# KiCad board ardumower mega shield svn.kicad_pcb (continued)
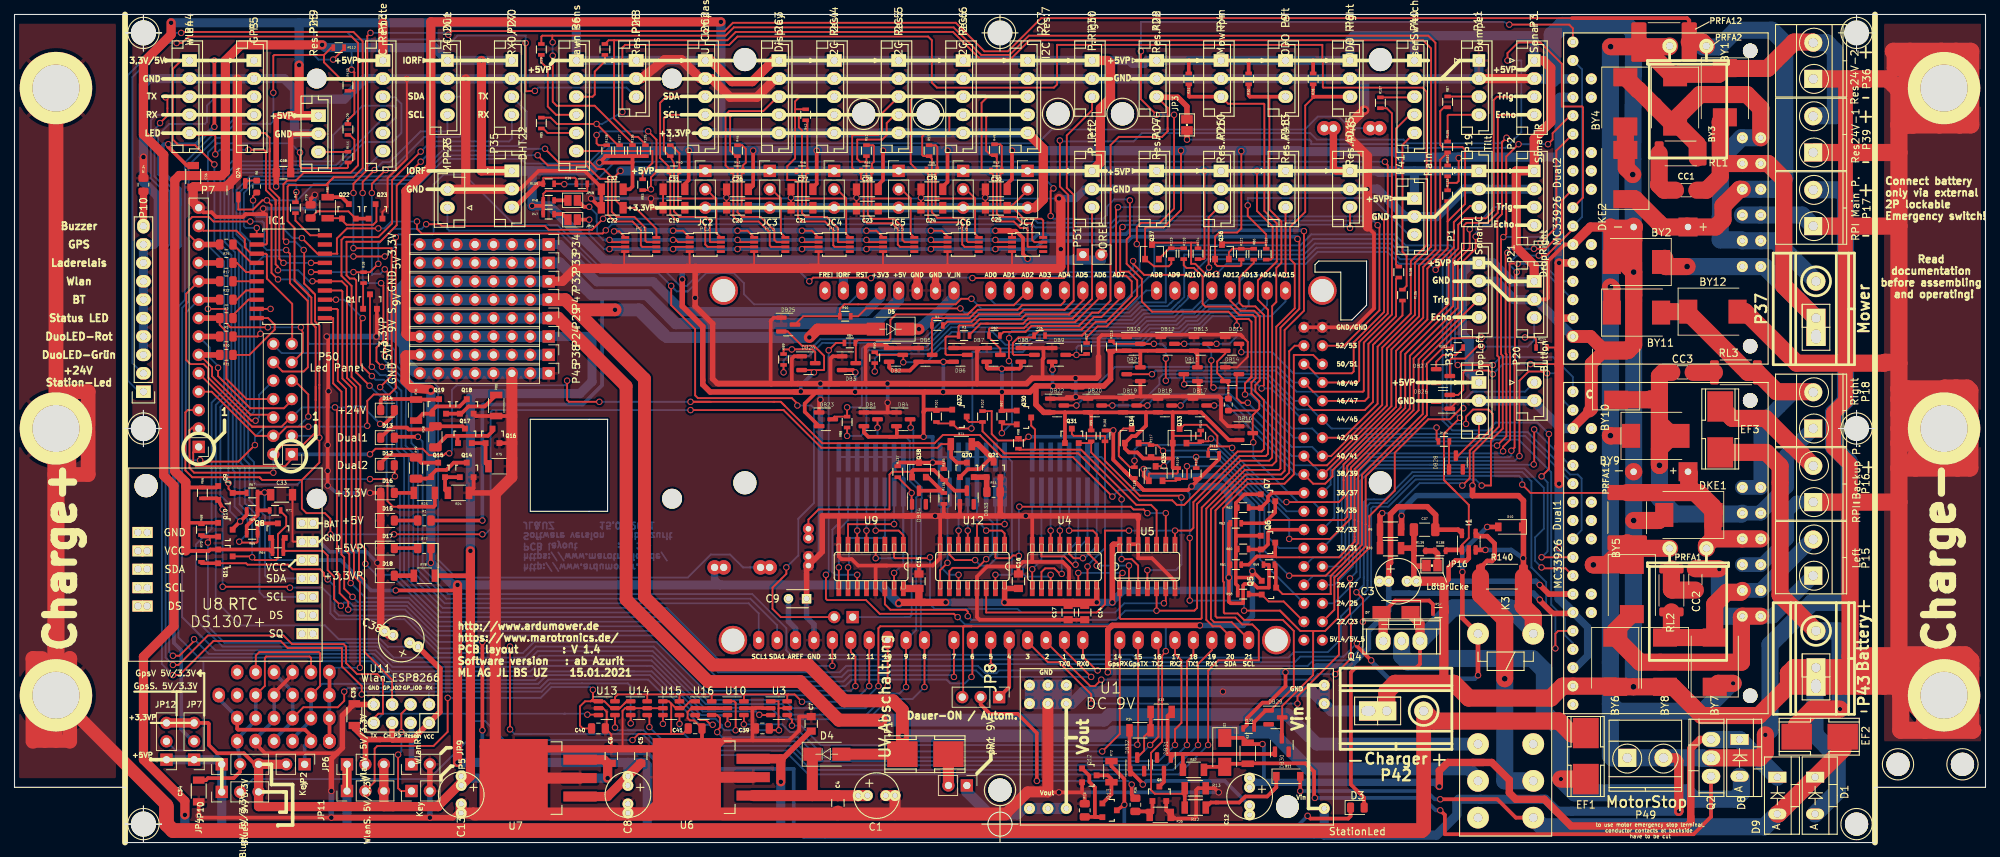
[diagram p0: board, top side]
## Routing (per net, layer and track width the routed paths; a pad name or vN(x,y) marks a point on that pad's centre or on a via; arc(x,y) is an arc through that point) (continued)
  Bottom w0.508: 111.76,0.76 180.34,0.76 180.59,1.02 ; 107.44,6.48 107.44,10.16 89.53,10.16 87.38,12.32 65.15,12.32 64.52,12.95 v1(64.52,15.49)
  Bottom w1.27: U1.3 180.59,1.02 196.09,1.02 198.88,3.81 198.88,5.72 199.14,5.97 211.07,5.97 212.73,4.32 v2(229.49,4.32)
  Bottom w1.778: 248.03,110.49 247.65,110.49
  Bottom w2.358: 248.03,100.33 251.08,100.33 251.08,109.22 249.89,110.41 P36.2 ; v2(236.98,21.97) 236.73,21.97 232.89,18.14 221.08,18.14 220.06,19.16 ; 220.06,19.16 220.06,25.02 ; 220.06,19.16 220.06,11.97 220.34,11.68 P49.1 P49.2 232.78,11.68 232.85,11.61 233.93,11.61 ; P17.2 251.67,90.09 252.48,89.28 252.48,60.96 250.82,59.31 250.82,54.61 252.86,52.58 252.98,52.58 252.98,33.53 252.6,33.15 247.9,33.15 242.06,27.31 242.06,15.49 v2(241.43,14.86) ; 220.06,38.45 219.94,38.33 v3(217.71,38.33) ; 220.06,38.45 v3(220.06,56.17) v3(220.06,76.68) 220.06,109.82 v3(220.09,109.86) ; 220.06,38.45 220.06,24.64
/Anschlußstecker/5V_IN: length 102.4
  Top w0.254: 165.41,54.68 165.79,54.68 165.86,54.75 165.86,56.13 164.34,57.66 161.29,57.66 160.77,57.13 Q33.3 ; 165.41,54.68 167.7,54.68 v1(167.89,54.48) ; 165.41,54.68 164.92,54.68 164.6,54.37 R116.2 ; 209.55,102.87 209.3,102.87 ; v1(175.39,46.99) 182.63,46.99 183.26,47.62 183.26,50.04 183.26,52.19 191.14,60.06 191.14,67.69 197.74,74.3 197.74,80.64 199.07,81.98 199.07,85.28 199.96,86.17 202.88,86.17 203.96,87.25 203.96,102.49 204.42,102.95 P3.3
  Bottom w0.254: v1(167.89,54.48) 167.89,53.95 174.85,46.99 v1(175.39,46.99)
/Anschlußstecker/5V_IN_1: length 90.1
  Top w0.254: Q11.3 32.64,39.5 v1(32.77,39.37) 33.15,38.99 36.07,38.99 36.32,39.24 36.32,42.55 37.47,43.69 37.47,44.96 36.69,45.73 R71.2
  Bottom w0.254: v1(32.77,39.37) 32.77,44.96 31.05,46.67 31.05,51.5 30.61,51.94 30.61,59.69 31.43,60.52 31.43,82.23 30.1,83.57 30.1,91.31 31.24,92.46 47.81,92.46 P13.6
/Anschlußstecker/5V_IN_2: length 93.7
  Top w0.254: v1(30.99,41.53) 31.11,41.4 33.4,41.4 33.52,41.52 R65.2
  Top w0.508: Q8.3 33.7,44.05 33.52,43.87 R65.2
  Bottom w0.254: v1(30.99,41.53) 32.13,42.67 32.13,44.58 30.35,46.36 30.35,51.18 30.1,51.44 30.1,60.07 30.92,60.9 30.92,81.85 29.53,83.25 29.53,91.76 30.73,92.96 44.53,92.96 48.27,96.7 52.11,96.7 53.34,97.93 53.34,101.98 52.45,102.87 50.8,102.87
/Anschlußstecker/5V_IN_3: length 88.8
  Top w0.508: Q10.3 30.08,43.29 v1(31.11,44.32) 32.02,45.22 R69.2
  Bottom w0.254: v1(31.11,44.32) 29.72,45.72 29.72,46.61 28.38,47.94 28.38,60.13 29.91,61.66 29.91,81.09 28.38,82.61 28.38,92.39 30.04,94.04 43.94,94.04 43.94,97.66 47.98,101.7 52.27,101.7 52.58,101.4 52.58,100.08 50.29,97.79
/Anschlußstecker/5V_IN_4: length 72.7
  Top w0.254: 30.48,48.26 Q9.3 29.5,48.84 v1(29.5,49.59)
  Top w0.508: Q9.3 31.82,48.26
  Bottom w0.254: P13.4 50.8,99.95 44.32,93.47 30.42,93.47 28.96,92.01 28.96,82.93 30.42,81.47 30.42,61.28 29.5,60.37 v1(29.5,49.59)
/Anschlußstecker/5V_IN_5: length 107.5
  Top w0.254: 208.79,87.63 209.55,87.63 ; 152.78,52.83 152.4,53.21 ; v1(175.77,41.91) 181.44,41.91 184.28,44.75 184.28,51.77 192.4,59.9 192.4,67.18 199.01,73.79 199.01,80.39 200.66,82.04 v1(200.66,84.65) ; Q34.3 154.04,57.15 152.91,57.15 152.27,56.52 152.27,54.61 ; 152.27,54.61 152.27,53.34 153.81,51.8 R118.2 v1(154.43,52.7) ; 152.27,54.61 152.27,53.97
  Bottom w0.254: v1(200.66,84.65) 200.98,84.96 201.3,84.96 202.44,86.11 202.44,86.14 204.01,87.71 P2.3 ; v1(175.77,41.91) 175.77,44.63 165.51,54.89 155.1,54.89 154.43,54.23 v1(154.43,52.7)
/Anschlußstecker/5V_IN_6: length 77.9
  Top w0.254: 209.55,85.09 P2.4 ; 173.86,39.5 173.99,39.37 182.63,39.37 184.79,41.53 184.79,42.21 184.79,44.54 184.79,51.56 192.91,59.69 192.91,66.8 199.64,73.53 199.64,80.14 201.49,81.98 v1(201.49,83.63) ; 169.35,38.35 170.18,38.35
  Top w0.48: 173.86,39.5 171.32,39.5 170.18,38.35 R61.2 ; 173.85,39.51 Q6.3
  Bottom w0.254: v1(201.49,83.63) 201.49,84.14 202.56,85.22 204.15,85.22 204.15,85.21 P2.4
/Anschlußstecker/5V_IN_7: length 58.8
  Top w0.254: 173.99,35.16 Q5.3 ; Q5.3 173.92,35.23 ; Q5.3 174.86,34.29 181.48,34.29 181.48,36.79 185.8,41.11 185.8,44.12 185.8,50.76 194.18,59.14 194.18,66.46 200.23,72.51 P1.4
  Top w0.48: 173.92,38.35 173.92,35.23
/Anschlußstecker/5V_IN_8: length 83
  Top w0.254: Q35.3 157.37,51.94 v1(158.5,51.94) ; P1.3 193.61,66.69 193.61,59.67 185.29,51.35 185.29,44.33 185.29,41.32 180.8,36.83 v1(175.77,36.83) ; v1(162.94,53.21) R120.2
  Bottom w0.254: v1(158.5,51.94) 159.77,53.21 v1(162.94,53.21) 165.75,53.21 172.34,46.63 172.34,40.26 v1(175.77,36.83)
/Anschlußstecker/5V_IN_9: length 58.9
  Top w0.254: P19.3 201.76,87.88 200.72,87.88 198.47,85.63 198.47,82.14 196.66,80.33 196.66,79.76 v1(195.96,79.06) ; Q37.3 157.12,82.8 162.24,82.8 ; 162.24,82.8 162.24,79.88 162.81,79.88 164.27,78.42 165.67,78.42 v1(165.74,78.49) ; 162.24,82.8 163.2,82.8 R124.2
  Bottom w0.254: v1(195.96,79.06) 195.14,79.88 190.94,79.88 189.29,81.53 179.71,81.53 178.05,79.88 167.13,79.88 v1(165.74,78.49)
/Anschlußstecker/5V_IN_10: length 39.9
  Top w0.254: 166.5,82.54 Q36.3 166.74,82.53 166.43,82.8 172.59,82.8 ; 172.59,82.8 172.59,83.95 170.05,86.49 v1(170.05,87.95) ; 172.59,82.8 R122.2
  Bottom w0.254: v1(170.05,87.95) 170.05,88.96 187.2,88.96 192.26,83.9 P41.3
/Anschlußstecker/5V_IN_11: length 89.4
  Top w0.254: 208.66,100.33 209.55,100.33 ; P3.4 204.84,100.45 204.53,100.14 204.53,86.93 203.14,85.53 200.22,85.53 199.82,85.14 199.82,81.97 198.37,80.52 198.37,74.04 191.77,67.44 191.77,59.98 183.77,51.98 183.77,44.96 183.32,44.51 172.78,44.51
  Top w0.48: Q7.3 173.85,45.58 172.34,44.07 169.35,44.07
GND: length 2925.2
  Top w0.254: 145.1,19.11 U1.1 ; 269.75,24 270.51,23.24 270.51,22.61 270.76,22.35 270.76,18.03 269.49,16.76 269.49,16 ; 66.42,11.3 U7.4 ; U7.4 71.12,11.18 ; U7.4 67.42,10.29 ; U7.4 67.45,10.27 ; 110.11,27.81 SHIELD1.GND3 ; 88.13,13.59 U6.4 ; U6.4 89.03,12.69 ; U6.4 90.42,11.3 ; U6.4 90.55,11.17 ; 98.17,88.92 C26.2 ; 98.17,88.92 C20.2 ; 98.17,88.92 v1(98.17,89.03) ; C27.2 v1(107.06,89.03) C21.2 ; 116.1,88.9 C23.2 ; 116.1,88.9 C28.2 ; 116.1,88.9 v1(116.1,89) ; C24.2 v1(124.99,89.03) C29.2 ; 133.88,88.9 C25.2 ; 133.88,88.9 C30.2 ; 133.88,88.9 133.88,89 v1(133.86,89.03) ; U8.2 38.43,41.53 38.33,41.63 C33.2 ; v1(43.31,62.29) 43.18,62.29 ; v1(54.1,105.41) 54.1,94.36 51.44,91.69 51.44,87.76 50.73,87.06 Q23.2 ; P31.2 199.03,61 DB26.1 ; P31.2 201.93,60.58 ; P31.2 201.93,60.45 ; Dual2.7 214.88,82.3 ; Dual2.7 215.01,82.55 ; Dual2.7 215.14,82.55 ; 84.14,12.89 83.84,13.19 83.84,18.18 84.2,18.54 U14.2 U14.5 U15.2 ; U3.2 104.77,18.54 ; 34.04,87.57 34.04,87.63 ; 34.29,86.74 33.66,86.74 ; 119.46,79.25 119.76,79.55 119.76,81.57 PC5.4 ; 92.79,79.25 93.09,79.55 93.09,81.57 PC2.4 ; PC3.4 101.98,81.57 101.98,79.55 101.68,79.25 ; C41.2 93.7,16.85 93.13,16.85 92.81,17.17 92.81,18.01 93.34,18.54 U16.2 ; 128.35,79.25 128.65,79.55 128.65,81.57 PC6.4 ; 169.74,69.41 169.37,69.78 170.05,69.1 170.05,67.06 168.59,65.59 DB14.1 ; 81.03,18.54 U13.2 81.15,18.54 81.66,18.03 81.66,15.94 C40.2 82.3,14.92 C6.2 ; 82.3,13.59 C6.2 ; C6.2 82.3,14.35 ; 163.05,61.58 165.88,61.58 166.37,61.09 166.37,58.42 ; IC1.12 34.67,82.55 34.8,82.68 34.8,86.61 34.67,86.74 ; 110.57,79.25 110.87,79.55 110.87,81.57 PC4.4 ; PC7.4 137.54,81.57 137.54,79.55 137.24,79.25 ; PC1.4 84.07,81.44 84.07,79.25 ; C22.2 80.77,87.63 ; C31.2 C19.2
  Top w0.508: 64.38,13.34 U7.4 ; U5.12 154.94,39.24 156.84,39.24 160.02,36.07 U5.7 ; U5.12 154.94,44.7 ; U5.12 U5.13 ; 140.34,38.73 144.53,38.73 145.42,37.85 145.42,35.03 ; 140.34,38.73 139.06,38.73 138.43,38.1 ; 140.34,38.73 U4.8 140.34,45.09 ; 138.43,38.1 134.11,38.1 132.72,36.7 U12.13 132.72,31.11 133.08,30.75 C17.2 C14.2 ; 138.43,38.1 C16.2 ; 95.25,11.56 U6.4 ; U6.4 92.7,9.15 ; U6.4 97.66,13.98 ; U6.4 94.8,11.12 C41.2 ; U9.13 118.74,38.23 120.27,38.23 ; 186.56,84.96 187.45,84.07 187.45,73.72 184.85,71.12 SHIELD1.GND5 SHIELD1.GND4 ; v1(186.56,90.21) 186.56,90.17 ; v1(87.76,88.9) 87.76,87.88 88.01,87.63 C19.2 ; 80.77,87.63 v1(79.5,88.9) ; 147.19,8.31 147.21,8.32 147.21,6.92 ; 159.51,3.81 159.89,3.43 159.89,3.3 162.69,3.3 162.94,3.56 162.94,7.24 163.2,7.49 R13.2 ; U12.8 127.64,39.24 126.62,38.23 124.71,38.23 ; U12.8 127.64,40.26 ; U12.8 127.64,45.09 ; 124.71,38.23 120.27,38.23 ; 124.71,38.23 C15.2 ; v1(166.05,6.92) 165.48,7.49 R13.2 ; R13.2 164.26,7.95 ; R24.2 63.31,48.9 Q14.2 ; 68.58,52.96 68.25,52.63 R75.2 ; Q18.2 63.63,58.88 R80.2 68.58,58.88 ; R35.2 158.81,4.44 Q3.2 ; 47.24,19.05 47.22,19.03 C35.2 ; 120.27,38.23 116.33,38.23 115.44,39.12 114.05,39.12 113.66,39.5 113.66,45.09 ; C34.2 v1(25.4,3.68) 25.65,3.43 v1(43.69,3.43) ; 44.45,12.32 34.54,12.32 33.27,13.59 33.27,14.1 ; U2.GND 38.33,23.16 35.79,20.62 U2.GND ; v1(49.91,69.85) 49.97,69.91 Q1.2 ; v1(50.04,38.61) 50.02,38.61 ; 24.64,90.55 24.77,90.68 ; v1(43.31,62.29) 43.18,62.17 43.18,60.07 ; 43.18,60.07 43.18,62.29 43.24,62.36 43.24,69.66 v1(43.05,69.85) ; 43.18,60.07 v1(43.18,54.86) v1(43.18,51.31) 43.18,49.53 ; 141.76,64.1 141.76,66.71 141.88,66.83 141.88,68.17 141.79,68.26 ; 104.42,63.22 107.93,63.22 ; 104.42,63.22 97.05,63.22 96.27,64.01 ; 104.42,63.22 104.27,63.37 104.27,72.01 104.71,72.45 DB25.1 ; C7.2 108.2,17.38 108.2,15.49 106.81,14.1 101.85,14.1 ; 215.01,34.29 Dual1.7 214.76,34.29 ; 141.79,68.26 DB9.1 ; 141.79,68.26 DB8.1 ; Q14.2 63.31,50.35 ; Q14.2 63.31,50.36 ; 145.07,61.51 v1(146.34,61.51) ; v1(146.34,61.51) 146.38,61.47 154.22,61.47 154.33,61.58 ; v1(146.34,61.51) 146.39,61.51 ; v1(146.34,61.51) 146.11,61.28 DB22.1 ; 98.68,14.1 101.85,14.1 ; 101.85,14.1 101.75,14.2 101.75,18.52 101.73,18.54 ; 33.66,86.74 31.88,86.74 31.5,86.36 27.81,86.36 27.18,87 26.04,87 P7.14 ; 33.66,86.74 34.67,86.74 ; 33.66,86.74 33.91,86.74 ; 112.5,63.22 113.69,63.22 111.25,63.22 v1(111.12,63.35) ; 132.72,63.17 132.72,67.82 133.16,68.26 ; 158.73,70.08 158.75,70.1 169.05,70.1 169.37,69.78 ; 158.73,70.08 158.37,70.08 DB12.1 ; 158.73,70.08 158.69,70.04 149.93,70.04 149.48,69.59 149.48,67.06 ; Dual2.7 213.74,82.55 211.46,80.26 211.46,75.18 211.24,74.97 P21.2 ; 162.21,61.58 161.02,61.58 ; 162.21,61.58 DB17.1 ; 162.21,61.58 166.14,61.58 166.37,61.34 166.37,58.42 167.33,57.47 DB16.1 ; 161.02,61.58 159.11,61.58 ; 161.02,61.58 163.05,61.58 163.32,61.85 163.32,63.49 DB11.1 ; DB33.1 130.37,45.28 130.18,45.09 ; 101.73,18.54 102.16,18.54 102.2,18.59 103.12,18.59 103.16,18.54 U3.2 ; 101.73,18.54 U10.5 ; R136.2 128.14,45.47 128.52,45.09 ; DB19.1 153.16,61.58 154.33,61.58 ; DB6.1 133.16,68.26 ; 133.16,68.26 DB7.1 ; DB5.1 DB2.1 120.15,68.71 117.73,68.71 117.35,68.33 117.35,63.37 ; 147.21,6.92 147.57,6.56 R73.2 ; 147.21,6.92 v1(144.02,6.92) 142.56,6.92 142.49,6.99 ; P35.2 69.76,90.21 72.27,92.72 78.61,92.72 80.92,90.41 C32.2 C22.2 80.93,87.62 ; 40.89,88.1 R79.2 40.83,88.84 v1(41.4,89.41) ; v1(120.4,60.71) 120.4,59.43 120.33,59.37 ; 154.33,61.58 155.3,61.58 ; Q16.2 68.58,55.13 ; DB24.1 107.5,67.12 107.19,66.8 107.19,63.25 ; 159.11,61.58 157.99,61.58 DB18.1 157.39,61.58 155.3,61.58 ; 159.11,61.58 155.3,61.58 ; U16.2 U16.5 U10.2 ; 80.93,79.25 80.92,79.25 ; 155.3,61.58 155.24,61.63 DB21.1 ; v1(34.29,87.5) 34.29,86.74 ; 112.52,63.25 112.52,66.8 112.84,67.12 DB3.1 ; D16.1 v1(49.02,48.26) ; v1(111.13,61.11) 110.95,60.94 DB23.1 ; DB4.1 120.33,59.37 ; 120.33,59.37 DB1.1 ; 131.22,63.22 123.47,63.22
  Top w0.635: I1.2 200.53,39.24 200.22,38.93 198.69,38.93 197.74,37.97 197.74,36.32 197.1,35.69
  Top w0.762: 64.51,13.21 U7.4 68.83,8.9 ; 90.29,11.43 U6.4 97.78,14.1 98.68,14.1 ; 84.07,79.25 83.9,79.25 ; 41.87,97.79 38.1,97.79 38.08,97.77 C18.2 ; 41.12,41.63 41.02,41.53 ; 154.94,44.7 154.94,45.09 v1(139.45,45.09) 136.27,45.09 ; v1(43.69,3.43) v1(57.28,3.43) 60.45,3.43 60.96,3.94 63.37,3.94 ; U11.GND 47.24,19.05 ; 66.29,48.13 66.17,48.26 R24.2 ; 93.85,79.25 v1(93.85,75.18) 93.85,74.04 96.27,71.63 96.27,64.01 96.9,63.37 104.27,63.37 104.29,63.35 v1(111.12,63.35) v1(120.38,63.35) ; 122.81,45.09 127.64,45.09 ; 122.81,45.09 123.83,45.09 ; 122.81,45.09 111.38,45.09 111.38,40.13 C2.2 109.22,37.97 C9.1 ; 127.64,45.09 136.27,45.09 ; 127.64,45.09 v1(126.95,45.09) ; 149.48,67.06 149.48,64.39 149.19,64.1 v1(146.3,64.1) 140.3,64.1 139.55,63.35 v1(120.38,63.35) ; 135.95,50.43 135.95,48.42 R11.2 135.91,45.44 136.27,45.09 ; JP16.2 194.61,38.15 192.96,38.15 ; 192.96,40.34 192.96,38.15 ; 192.96,40.34 C37.2 ; 192.96,40.34 192.66,40.64 R10.2 ; 192.96,38.15 192.96,36.4 C3.2 193.04,36.32 ; v1(43.69,7.11) 43.69,11.56 45.21,13.08 45.21,17.53 46.84,19.15 C35.2 ; JP9.2 JP5.2 ; v1(120.38,63.35) 123.34,63.35 ; U8.2 U8.2 ; 213.87,34.29 Dual1.7 211.58,34.29 v1(210.31,35.56)
  Top w1.016: 110.57,79.25 124.46,79.25 ; 127,79.25 136.4,79.25 ; 127,79.25 124.46,79.25 ; 127,79.25 SHIELD1.GND2 ; 137.24,79.25 136.4,79.25 ; 136.4,79.25 144.02,79.25 ; 124.46,79.25 SHIELD1.GND1 ; 144.27,79.5 v1(144.27,81.91) 144.27,88.65 ; U6.4 88.78,12.94 C5.2 ; D16.1 D15.1 D17.1 D18.1 50.5,29.7 C38.2 51.57,28.63 C38.2 ; v1(17.78,94.62) R134.2 ; 86.31,12.89 C5.2 ; C5.2 C6.2 ; U7.4 72.88,12.94 C6.2 ; C6.2 82.34,12.89
  Top w1.27: 62.23,90.17 59.69,90.17 ; 62.23,90.17 68.58,90.17 ; 62.23,90.17 v1(62.23,105.41) ; 264.41,25.91 262.64,24.13 260.1,24.13 ; B14.1 268.22,22.48 268.22,25.91 ; 269.75,15.75 270,15.49 ; 87.38,79.25 109.73,79.25 ; 87.38,79.25 84.07,79.25 ; 87.38,79.25 82.17,79.25 ; 217.18,59.57 214.88,57.28 Dual1.16 ; I2C3.2 104.9,105.41 102.36,102.87 98.68,102.87 96.1,105.45 I2C2.2 94.58,105.45 91.95,108.08 89.66,108.08 86.4,105.45 P28.2 86.45,105.45 ; 186.56,84.96 186.56,94.74 184.15,97.16 184.15,99.19 186.06,101.09 v1(186.18,101.09) ; 41.87,97.79 P25.2 ; 66.54,6.6 U7.4 ; 82.17,79.25 80.92,79.25 ; 82.17,79.25 77.34,79.25 75.56,77.47 P32.1 ; 81.79,3.94 81.91,4.06 C8.2 C8.2 ; v1(144.02,88.9) 144.27,88.65 144.27,79.5 144.02,79.25 109.73,79.25 ; 109.73,79.25 110.57,79.25 ; 220.09,80.29 BY2.2 ; P11.2 P3.2 ; C4.2 113.54,3.94 ; Dual2.7 217.3,84.96 220.08,84.96 ; v1(30.73,105.41) 30.73,92.08 29.19,90.53 24.72,90.53 C36.2 24.64,88.39 P7.14 ; C3.2 196.72,36.07 197.1,35.69 197.1,31.76 R57.2 197.09,32.52 197.09,22.24 197.36,21.97
  Top w1.524: 70.1,8.89 U7.4 ; U7.4 66.29,11.42 66.29,48.13 68.58,50.42 P45.3 ; U7.4 68.83,9.91 ; U7.4 U7.2 ; 136.65,3.94 139.7,6.99 142.49,6.99 U1.1 142.5,19.17 ; 63.37,3.94 63.25,4.06 C13.2 C13.2 ; C1.2 C1.2 121.41,3.94 ; U6.2 U6.4 91.57,9.02
  Top w1.778: U6.4 87.62,3.94 84.84,3.94 ; 136.65,3.94 84.84,3.94 ; 63.37,3.94 84.84,3.94 ; Dual2.2 217.3,69.85 219.23,67.92 217.42,66.11 217.42,59.82 217.18,59.57
  Top w2.032: 269.75,24 269.75,15.75 ; 252.48,105.41 252.48,60.96 250.82,59.31 250.82,54.48 253.11,52.2 253.11,46.99
  Top w2.358: 259.33,21.59 259.84,22.1 259.84,24.13 ; 259.33,21.59 260.6,20.32 B14.1 ; 259.33,21.59 257.81,21.59 ; 259.84,24.13 259.84,25.91 ; 259.84,24.13 259.33,24.13 ; 259.84,103.89 260.1,104.14 B12.1 ; 259.84,103.89 259.72,104.01 ; 259.84,103.89 259.84,99.06 ; B12.1 265.94,104.01 259.72,104.01 ; B12.1 260.99,99.06 261.81,99.06 ; B12.1 267.72,105.79 267.72,109.22 ; B12.1 268.22,101.98 268.22,99.06 ; B12.1 265.43,103.5 265.43,99.06 ; B12.1 263.27,106.93 259.33,106.93 259.33,108.97 259.08,109.22 261.37,109.22 ; B12.1 265.68,104.52 265.68,109.22 ; B12.1 266.06,101.22 268.22,99.06 ; 259.84,95.25 259.84,99.06 ; 259.84,95.25 P39.1 ; 259.84,95.25 259.84,85.09 ; 259.84,99.06 260.86,99.06 ; 259.72,104.01 258.32,105.41 P36.1 ; 259.72,104.01 261.81,101.92 261.81,99.06 ; 259.72,104.01 261.37,105.66 261.37,109.22 ; 259.84,46.99 259.84,51.69 ; 259.84,46.99 259.84,25.91 ; 259.84,46.99 253.11,46.99 ; 259.84,51.69 259.84,55.12 ; 259.84,51.69 262.13,51.69 ; 259.84,57.15 259.84,59.18 ; 259.84,57.15 259.84,55.12 ; 259.84,57.15 B13.1 ; 259.84,59.18 259.84,61.21 ; 259.84,59.18 264.03,59.18 B13.1 ; 259.84,25.91 259.72,25.78 253.11,25.78 ; 259.84,25.91 266.06,25.91 ; 266.06,62.61 266.19,62.74 267.72,62.74 ; 266.06,62.61 260.99,62.61 ; 266.06,62.61 B13.1 ; 259.84,55.12 264.03,55.12 B13.1 ; 265.68,51.69 262.13,51.69 ; 265.68,51.69 266.06,51.69 B13.1 ; 265.68,51.69 267.97,51.69 ; 262.13,51.69 262.13,53.21 B13.1 ; 267.72,62.74 269.24,62.74 269.62,62.36 269.62,51.69 267.97,51.69 ; 267.72,62.74 267.72,58.8 B13.1 ; B13.1 267.97,55.25 267.97,51.69 ; B13.1 262,61.21 259.84,61.21 ; B13.1 266.06,57.53 260.99,62.61 ; 260.99,62.61 259.84,62.61 ; 259.84,62.61 259.84,61.21 ; 259.84,62.61 259.84,66.17 ; 259.33,24.13 257.05,24.13 ; 259.33,24.13 260.1,24.13 ; B14.1 262.25,24.13 260.1,24.13 ; B14.1 269.75,24 269.75,25.15 ; B14.1 264.03,22.35 260.1,22.35 ; B14.1 263.4,17.65 ; 269.75,25.15 268.99,25.91 266.06,25.91 ; 269.75,25.15 269.75,15.75 ; 260.1,24.13 260.1,22.35 ; 263.4,15.49 260.1,15.49 260.1,20.32 ; 263.4,15.49 270,15.49 266.06,19.43 266.06,25.91 ; 263.4,15.49 263.4,17.65 ; 260.1,22.35 260.1,20.32 ; 260.1,20.32 260.73,20.32 263.4,17.65 ; 267.72,109.22 269.75,109.22 269.75,99.06 268.22,99.06 ; 267.72,109.22 265.68,109.22 ; 260.86,99.06 265.43,99.06 ; 260.86,99.06 261.81,99.06 ; 265.43,99.06 268.22,99.06 ; 265.68,109.22 261.37,109.22 ; P42.1 189.23,20.83 190.37,21.97 198.5,21.97 200.53,19.94 211.84,19.94 213.49,21.59 Dual1.2 220.63,21.59 BY6.2 v3(223.24,21.49) BY8.2 228.7,21.49 232.66,17.53 240.54,17.53 244.6,21.59 ; 244.6,21.59 P43.1 251.71,21.59 ; 244.6,21.59 244.6,23.37 ; 244.6,23.37 245.36,24.13 P43.1 251.71,24.13 ; 244.6,23.37 249.94,23.37 251.33,21.97 253.11,21.97 ; 253.11,46.99 253.11,25.78 ; 253.11,46.99 P16.1 ; 259.84,85.09 P17.1 ; 259.84,85.09 259.84,66.17 ; 220.25,84.8 221.9,83.15 223.26,83.15 ; 220.25,84.8 223.1,84.8 C11.2 ; 220.25,84.8 BY2.2 ; 220.25,84.8 220.08,84.96 ; 259.84,66.17 259.72,66.29 257.94,66.29 257.81,66.17 245.75,66.17 238.63,73.28 BY12.2 ; v3(223.14,92.2) 222.25,93.09 222.25,95.6 ; C11.2 223.27,84.96 223.27,75.56 ; C11.2 223.26,83.15 ; 253.11,21.97 253.11,24.13 ; 253.11,21.97 252.73,21.59 ; 257.81,21.59 257.81,23.37 257.05,24.13 ; 257.81,21.59 255.14,21.59 ; 255.14,21.59 255.52,21.97 255.52,24.13 ; 255.14,21.59 252.73,21.59 ; 251.71,24.13 253.11,24.13 ; 251.71,24.13 251.71,21.59 ; 253.11,25.78 253.11,24.13 ; 255.52,24.13 257.05,24.13 ; 255.52,24.13 253.11,24.13 ; v3(223.27,44.45) 226.72,44.45 DKE1.2 ; 219.23,67.92 BY10.2 222.48,67.92 223.27,68.71 223.27,75.56 ; 223.27,75.56 v3(223.27,78.74) 221.87,80.14 BY2.2 ; 223.26,83.15 BY2.2 ; 252.73,21.59 251.71,21.59 ; DKE2.2 BY4.2
  Bottom w0.254: v1(98.17,89.03) 98.15,89 98.15,88.92 ; 98.15,88.92 107.04,88.9 ; 98.15,88.92 96.65,88.9 v1(87.76,88.9) ; 107.04,88.9 107.04,89 v1(107.06,89.03) ; 107.04,88.9 116.08,88.9 ; 116.08,88.9 116.08,88.98 v1(116.1,89) ; 116.08,88.9 124.97,88.9 ; 124.97,88.9 124.97,89 v1(124.99,89.03) ; 124.97,88.9 133.86,88.9 ; 133.86,88.9 v1(133.86,89.03) ; 133.86,88.9 v1(144.02,88.9) ; v1(43.31,62.29) 43.43,62.42 43.43,66.8 42.67,67.56 36.83,67.56 35.69,68.71 P50.14 35.69,68.77
  Bottom w0.508: v1(79.5,88.9) v1(87.76,88.9) ; 33.27,14.35 35.81,16.89 35.81,20.45 ; v1(50.04,38.61) 48.51,40.13 43.43,40.13 42.04,41.53 U8.2 ; SHIELD1.GND5 181.1,71.12 ; v1(120.38,63.35) 120.4,63.33 v1(120.4,60.71) ; v1(34.29,87.5) 41.28,87.5 41.4,87.63 v1(41.4,89.41) ; v1(43.18,49.28) 44.45,48.26 v1(49.02,48.26) ; v1(146.34,61.51) 146.34,63.72 ; v1(144.02,6.92) v1(166.05,6.92) ; Dual2.16 214.88,105.66
  Bottom w0.762: SHIELD1.GND3 110.24,30.1 109.22,31.11 C9.1 ; v1(43.69,7.11) v1(43.69,3.43) ; 109.22,37.97 C2.2 ; C2.2 C2.2 ; C2.2 111.13,39.88 v1(111.13,61.11) 111.13,63.34 v1(111.12,63.35) ; JP5.2 v1(57.28,3.43) ; v1(43.05,69.85) v1(49.91,69.85) ; 193.04,36.32 C3.2 209.8,36.07 v1(210.31,35.56)
  Bottom w1.016: P12.2 147.61,90.21 146.3,88.9 v1(144.02,88.9) ; v1(49.91,69.85) 52.45,69.85 ; 39.52,41.53 41.02,41.53
  Bottom w1.27: 157.48,90.17 166.37,90.17 ; 201.93,60.96 209.55,60.96 ; P44.2 18.58,105.45 17.78,104.65 v1(17.78,94.62) 17.78,91.19 19.81,89.15 19.81,83.19 19.18,82.55 P10.9 P10.8 P10.7 P10.6 P10.5 P10.4 P10.3 ; 24.13,105.41 v1(30.73,105.41) 33.02,105.41 ; P25.2 38.65,97.83 38.61,97.79 38.61,102.62 ; P40.2 185.89,105.45 ; 38.61,102.62 45.47,102.62 48.3,105.45 P13.2 ; 38.61,102.62 38.61,104.01 37.17,105.45 P5.2 ; P19.2 199.94,90.21 196.13,86.4 P41.2 191.73,86.4 187.92,90.21 v1(186.56,90.21) P46.2 P48.2 P26.2 ; 50.8,105.41 v1(54.1,105.41) v1(62.23,105.41) 85.72,105.41 ; P9.2 P4.2 ; v1(186.18,101.09) 186.18,105.16 185.89,105.45 ; U1.1 U1.1 ; Dual1.16 213.23,57.15 209.55,60.83 P20.2 ; 201.93,90.17 209.55,90.17 ; I2C7.2 I2C6.2 I2C5.2 ; 167.26,105.41 139.7,105.41 ; 201.93,77.47 204.28,77.47 206.82,74.93 209.8,74.93 Dual2.2 ; 121.92,105.41 105.41,105.41 ; C3.2 C3.2 ; 185.89,105.45 P8.2 ; 193.04,105.41 201.93,105.41 P11.1 ; 214.88,105.54 Dual2.16 209.55,105.41 ; 175.26,105.41 184.15,105.41 ; P14.2 P12.2
  Bottom w1.524: 240.8,86.61 Dual2.21 ; U1.4 181.61,18.16 P42.1 P42.1 ; U1.4 178.94,20.83 v1(166.62,20.83) 147.45,20.83 145.8,19.18 U1.1 ; U1.4 U1.4 ; P32.1 P32.2 P32.3 P32.4 P32.5 P32.6 P32.7 P32.8 54.23,77.47 52.45,75.69 52.45,69.85 52.58,69.85 53.78,68.64 53.78,66.48 55.27,64.99 P45.8 P45.7 P45.6 P45.5 P45.4 P45.3 P45.2 P45.1 ; U1.1 U1.1 U1.1 ; U1.1 U1.1 ; U1.1 U1.1 ; U1.1 U1.1 ; U1.1 U1.1 ; U1.1 U1.1 ; U1.1 U1.1
  Bottom w1.778: P16.1 245.75,46.99 244.48,45.72 244.48,41.91 240.92,38.35 Dual1.21
  Bottom w2.032: Dual1.21 Dual1.21
  Bottom w2.358: 223.24,38.35 223.24,21.49 v3(223.24,21.49) ; 212.04,105.41 212.04,111.51 212.14,111.51 213.43,112.79 222.34,112.79 223.27,111.86 223.14,94.36 v3(223.27,78.74) v3(223.27,44.45) 223.27,39.24 223.24,39.21 223.24,37.97 ; P17.1 246.51,86.61 Dual2.21 Dual2.21 ; D1.2 251.33,6.99 251.33,11.94 250.06,13.21 249.94,13.21 248.29,14.86 248.29,24 P43.1 P43.1
/Anschlußstecker/Ausgang1: length 42.1
  Top w0.254: Q32.3 131.3,58.33 131.58,58.05 R102.2 133.48,56.77 136.53,53.72 ; v1(152.65,39.12) 154.05,39.12 154.94,38.23 U5.3 ; 136.53,53.72 136.08,54.17 ; 136.53,53.72 146.69,53.72 152.65,47.75 v1(152.65,47.37)
  Bottom w0.254: v1(152.65,39.12) v1(152.65,47.37)
/Anschlußstecker/Ausgang2: length 38.4
  Top w0.254: Q31.3 145.8,56.39 146.05,56.13 150.37,56.13 R100.2 150.37,52.68 155.17,47.88 160.66,47.88 v1(160.91,47.62) ; U5.4 v1(156.21,37.59)
  Bottom w0.254: v1(156.21,37.59) 160.15,37.59 160.91,38.35 v1(160.91,47.62)
/Anschlußstecker/Ausgang3: length 32.7
  Top w0.254: 140.19,58.21 Q30.3 140.19,57.55 140.72,57.02 140.72,54.23 ; 147.64,53.66 154.69,46.61 156.72,46.61 157.48,45.85 U5.10 ; 147.64,53.66 147.07,54.23 140.72,54.23 ; 147.64,53.66 147.45,53.85 ; R98.2 138.57,54.23 140.72,54.23
/Anschlußstecker/Eingang1: length 113.8
  Top w0.254: v1(152.78,37.21) 152.4,36.83 U5.1 152.4,30.99 152.53,30.86 163.58,30.86 163.7,30.99 163.7,46.23 169.55,52.07 173.42,52.07 173.99,52.64 173.99,71.2 176.53,73.74 176.53,79.88 175.9,80.52 175.9,84.96 177.98,87.05 177.98,101.73 179.2,102.95 ; v1(146.69,37.21) U4.14
  Top w0.508: 179.07,104.46 179.07,102.95 P8.3
  Bottom w0.254: v1(146.69,37.21) v1(152.78,37.21)
/Anschlußstecker/Eingang2: length 135
  Top w0.254: U9.14 120.02,32.89 120.78,32.13 131.19,32.13 131.45,31.88 v1(131.45,31.24) ; 173.04,102.95 173.04,87.38 174.69,85.72 174.69,80.01 173.99,79.31 173.99,74.61 173.42,74.04 173.42,53.15 172.97,52.7 169.04,52.7 163.07,46.74 163.07,32.39 162.69,32 v1(157.48,32) U5.5
  Top w0.508: P9.3 170.35,102.95 170.18,103.12 170.18,104.46
  Bottom w0.254: v1(131.45,31.24) 131.95,30.73 151.89,30.73 153.16,32 v1(157.48,32)
/Anschlußstecker/Eingang3: length 124.7
  Top w0.254: 160.02,41.78 U5.8 v1(160.02,43.05) 162.18,43.05 162.56,43.43 162.56,46.99 168.91,53.34 172.53,53.34 172.85,53.66 172.85,73.53 171.45,74.93 171.45,77.6 174.05,80.2 174.05,85.47 172.34,87.19 172.34,101.92 172.28,101.98 167.34,101.98 P4.3 ; U12.14 133.99,31.75 149.23,31.75 150.37,32.89 150.37,43.05 v1(153.67,43.05)
  Top w0.508: P4.3 162.01,102.95 161.93,103.03 161.93,104.46
  Bottom w0.254: v1(153.67,43.05) v1(160.02,43.05)
/Batterieeingang 24V: length 108.1
  Top w0.508: v1(172.09,13.59) 170.23,13.59 R37.1 169.38,14.45 D2.1 ; C12.1 C12.1
  Top w1.016: 201.04,11.05 197.61,11.05 196.47,9.91 v1(196.47,7.75) ; 201.04,11.05 202.56,11.05 ; 201.04,11.05 203.71,11.05 206.12,8.64 206.12,6.86 207.01,5.97 210.95,5.97 214.63,2.29 230.63,2.29 231.14,2.79 ; 231.14,2.79 231.14,12.95 232.41,14.22 Q2.3 ; 231.14,2.79 231.14,3.56
  Bottom w0.508: v1(172.09,13.59) 172.28,13.4 172.28,8.32
  Bottom w1.016: v1(196.47,7.75) 195.9,8.32 171.01,8.32 C12.1
  Bottom w2.358: D9.1 D8.1 Q2.3
/Eingang: length 71.2
  Top w2.358: v2(213.23,8.76) 216.66,8.76
  Bottom w2.358: v2(213.23,8.76) 213.23,15.62 210.95,17.91 210.95,23.75 209.3,25.4 197.87,25.4 197.36,24.89 192.15,24.89 191.26,25.78 Q4.2 ; v2(213.23,8.76) 213.27,8.8 ; v2(213.23,8.76) 215.14,6.86 230.63,6.86 231.52,5.97 237.24,5.97 238.12,6.86 238.12,8.89 D8.2
/Motortreiber/D1_M1_IN1: length 54.1
  Top w0.508: Dual1.19 238.12,31.24
  Top w2.358: Dual1.19 Dual1.19 238.12,31.11 238.12,24.89 224.13,24.89 BY6.1 220.73,29.24 BY5.2 ; CC2.1 235,37.8
  Bottom w2.032: P15.1 242.44,31.24 Dual1.19
  Bottom w2.358: Dual1.19 235.71,31.24 235.08,31.88 v2(235.08,37.72)
/Motortreiber/D1_M1_IN1_1: length 70.9
  Top w2.358: v3(226.82,52.07) 226.82,54.36 228.6,56.13 ; v3(226.82,52.07) 226.82,64.39 227.33,64.9 CC3.1 ; v3(226.82,52.07) 226.82,60.65 226.26,61.21 225.55,61.21 225.45,61.12 BY10.1 ; 228.6,56.13 227.33,57.4 ; 228.6,56.13 BY9.2
  Bottom w2.032: P18.1 244.35,53.47 244.35,49.15 240.79,45.59 Dual1.23 Dual1.23
  Bottom w2.358: Dual1.23 238.12,45.34 228.98,45.34 226.82,47.5 v3(226.82,52.07)
